# Altium PCB Spektrop2_PCB_Combined_CMV4000_V1.PcbDoc (part 4 of 6)
Units mm, origin at the board's own origin, x right, y up, seen from the top; angles counter-clockwise.
Board outline 87 x 42 mm, 8 copper layers (TOP, L1-GND, L2, L3-1V8, L4-PWR, L5, L6-P2V5, BTM), stack 1.588 mm thick; 353 components, 311 nets, 2431 pads, 951 vias.
Unrouted connection lines stored in the file: 2.
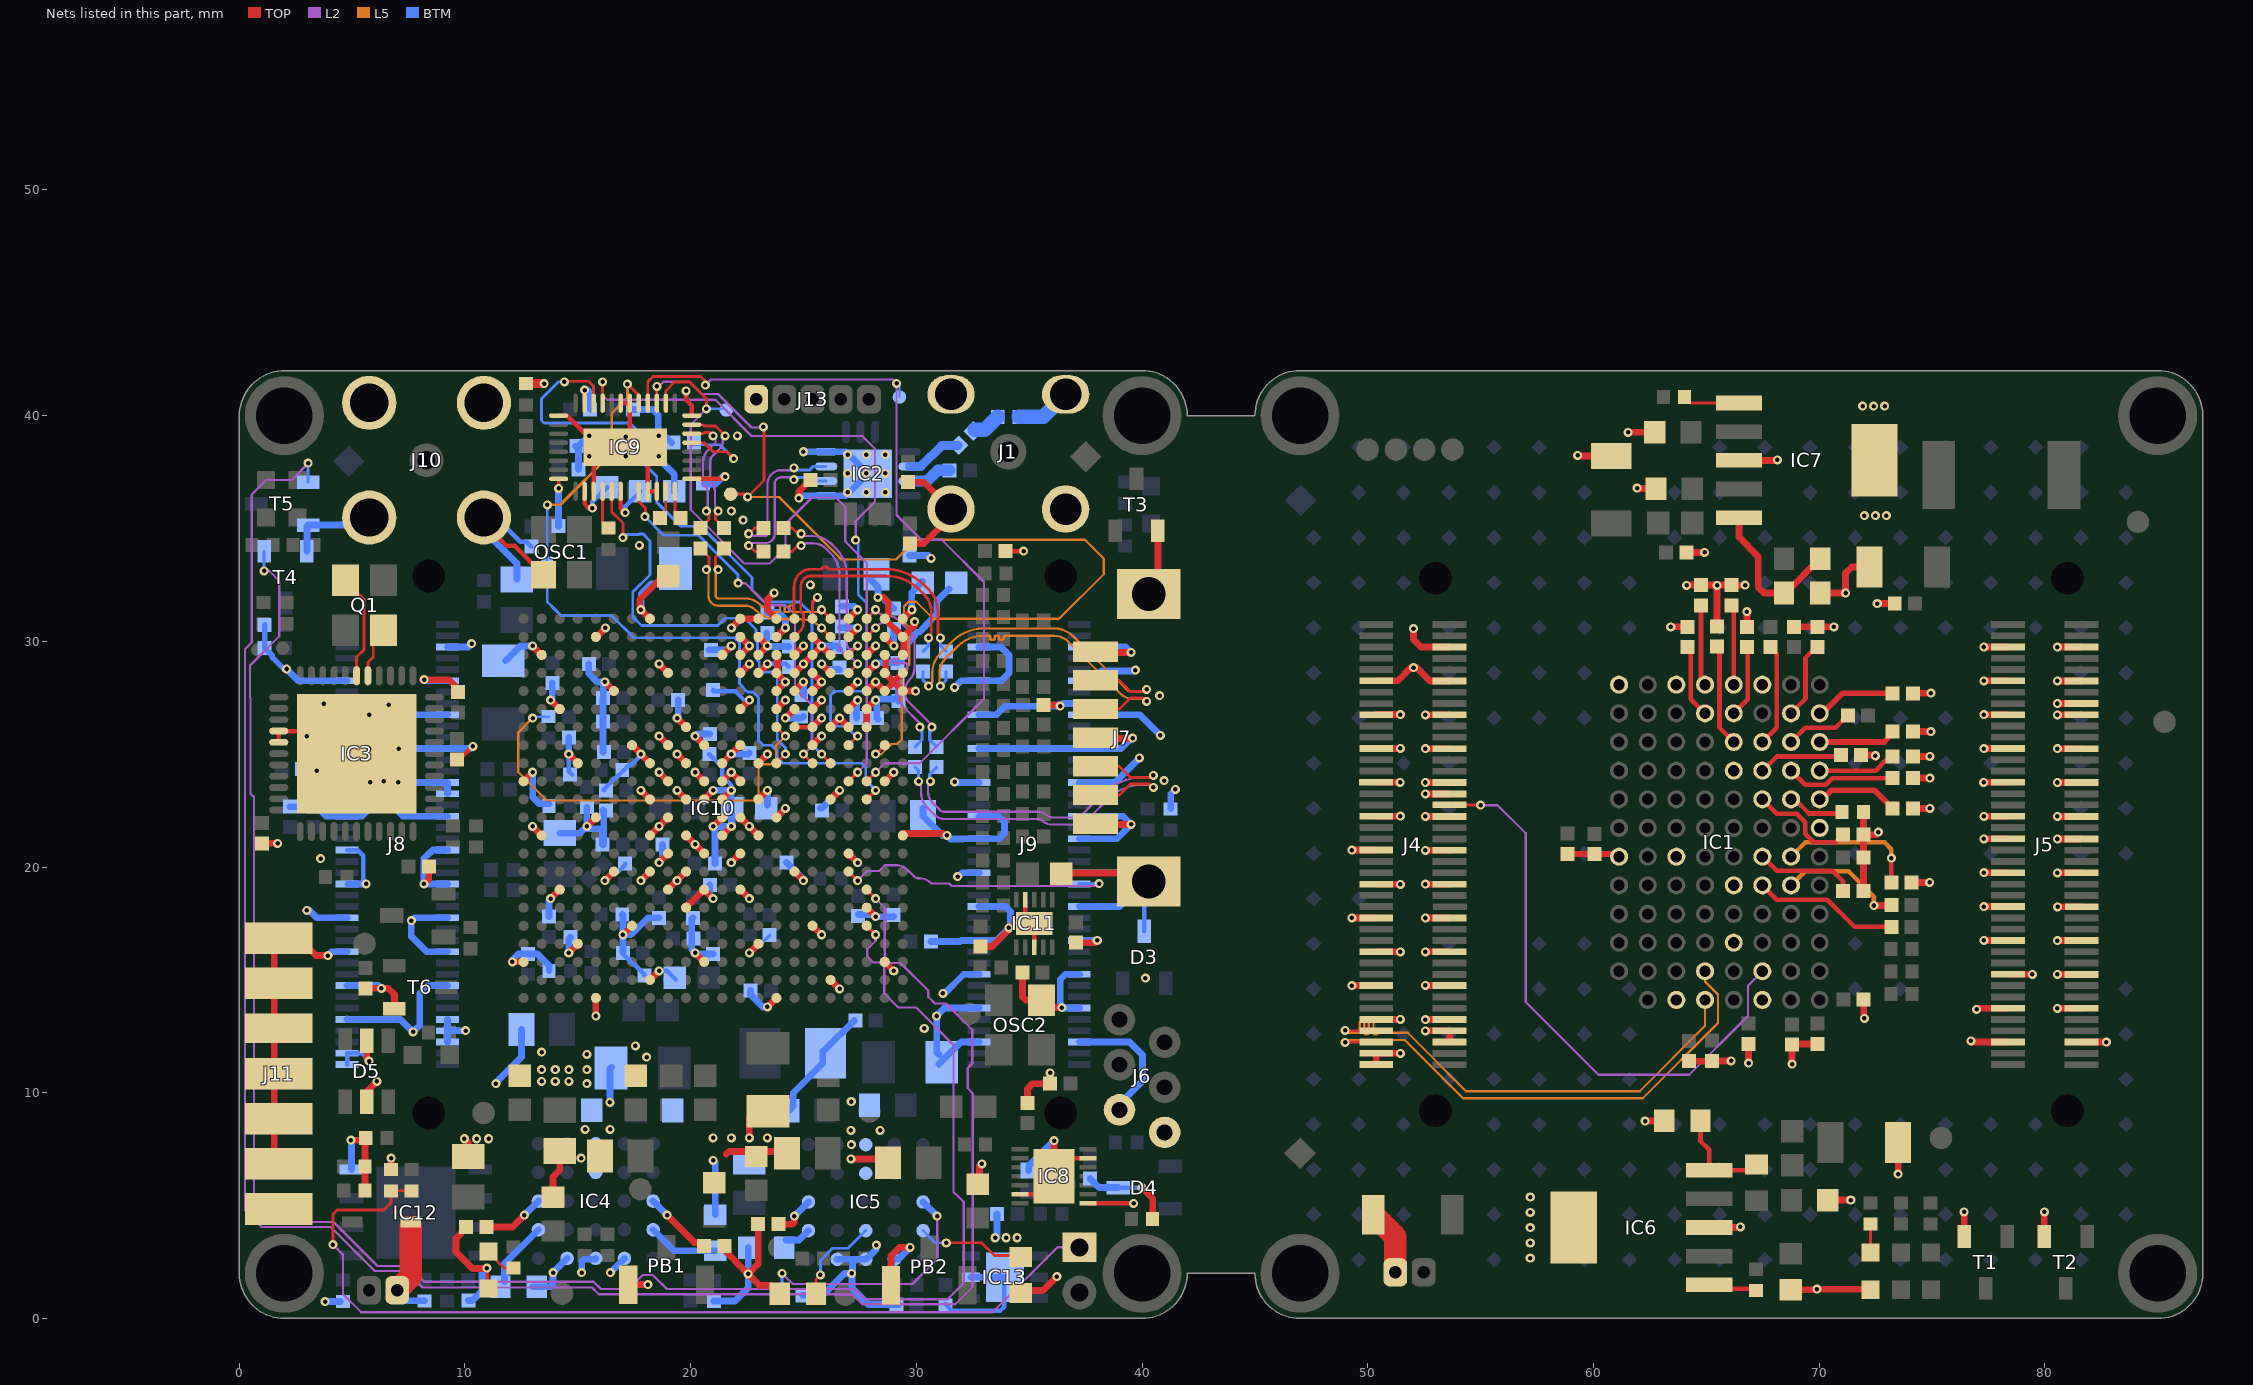
[diagram p10: the nets of this part, all layers, seen from the top]

## Via types
v1: diameter 0.4, hole 0.2, TOP to BTM, tented both sides, 949 vias
v2: diameter 0.4/0.4/0.4/0.4/0.6 (per signal layer), hole 0.2, TOP to BTM, tented top, 2 vias

## Nets (pads, with @x,y where several pads share a name; then routed paths per layer and width w, separated by ;. In a path a pad name is that pad's centre, name@x,y a point inside that pad or via, vN(x,y) a via of type N, cw(c..) or ccw(c..) an arc to the next point about the centre after c; other vN are vias at no path point) (continued)
FPGA_BANK35_DIFF19_P: IC10.H4 J9.47 | length 12.8
  TOP w0.14: IC10.H4@26.999,19.8 v1(27.399,19.4)
  L2 w0.1: v1(27.399,19.4) 27.824,19.825 28.354,19.825 28.605,20.075 29.15,20.075 cw(c29.15,19.465) 29.581,19.896 29.891,19.587 ccw(c30.1,19.796) 30.1,19.5 30.147,19.5 cw(c30.147,18.822) 30.626,19.301 ccw(c30.69,19.365) 30.69,19.275 31.45,19.275 31.565,19.16 37.998,19.16 v1(38.1,19.263)
  BTM w0.125: v1@38.088,19.25 v1(38.1,19.263)
  BTM w0.18: J9.47@37.225,19.25 v1@38.088,19.25
FRAME_REQ: IC1.F2 J4.33 | length 25.9
  TOP w0.125: J4.33@53.626,22.755 54.987,22.755 v1(54.999,22.743)
  L2 w0.1: v1(54.999,22.743) 55.753,22.743 57,21.496 57,14.021 60.225,10.796 64.25,10.796 66.85,13.396 66.85,14.746 IC1.F2@67.485,15.381
GND: C1.1 C2.1 C3.1 C5.1 C6.1 C7.1 C8.1 C9.1 C10.1 C11.1 C12.1 C14.1 C16.1 C18.1 C19.1 C20.2 C21.2 C22.2 C23.2 C24.1 C25.1 C26.2 C27.2 C28.1 C29.1 C30.1 C31.1 C32.1 C33.1 C34.1 C37.2 C38.2 C39.2 C40.2 C41.1 C42.1 C43.1 C44.1 C45.1 C46.1 C47.1 C48.1 C49.1 C50.1 C51.1 C52.1 C53.1 C54.1 C55.1 C56.1 C57.1 C58.1 C59.1 C60.1 C61.1 C62.1 C63.1 C64.1 C65.1 C66.1 C67.1 C68.1 C69.2 C70.1 C71.2 C72.1 C73.1 C77.1 C78.1 C79.1 C80.1 C81.1 C82.1 C83.1 C84.1 C85.1 C86.1 C87.1 C88.1 C89.1 C90.1 C91.1 C92.2 C93.1 C106.2 C107.2 C108.2 C109.2 C110.2 C111.2 C112.2 C113.2 C114.2 C115.2 C116.2 C117.2 C118.2 C119.2 C120.2 C121.2 C122.2 C123.2 C124.2 C125.2 C126.2 C127.2 C128.2 C129.2 C130.2 C131.2 C132.2 C133.2 C134.2 C135.2 C136.2 C137.2 C138.2 C139.2 C140.2 C141.2 C142.2 C143.2 C144.2 C145.2 C146.2 C147.2 C148.2 C149.2 C152.2 C153.2 C154.2 C155.2 C156.2 C157.2 C158.2 C159.2 C160.2 C161.2 C162.2 C163.2 C164.2 C165.2 C166.2 C167.2 C168.1 C169.1 C170.1 C171.1 D1.2 D2.2 D3.3 D4.3 D5.2 D5.5 IC1.A6 IC1.A12 IC1.C1 IC1.C6 IC1.C12 IC1.E3 IC1.E5 IC1.E9 IC1.F1 IC1.F12 IC1.H7 IC2.1 IC2.4 IC2.17 IC3.15 IC3.16 IC3.45 IC4.B5 IC4.C1 IC4.C2 IC4.C5 IC4.D5 IC5.B5 IC5.C1 IC5.C2 IC5.C5 IC5.D5 IC6.3 IC6.6 IC7.3 IC7.6 IC8.6 IC8.8 IC8.13 IC8.15 IC9.1 IC9.8 IC9.14 IC9.15 IC9.19 IC9.21 IC9.28 IC9.31 IC9.37 IC9.38 IC9.41 IC10.A8 IC10.A18 IC10.AA1 IC10.AA6 IC10.AA9 IC10.AA10 IC10.AA18 IC10.AB2 IC10.AB4 IC10.AB8 IC10.AB9 IC10.AB10 IC10.AB15 IC10.B5 IC10.B15 IC10.C2 IC10.C12 IC10.C22 IC10.D9 IC10.D19 IC10.E6 IC10.E16 IC10.F3 IC10.F13 IC10.G10 IC10.G12 IC10.G14 IC10.G20 IC10.H7 IC10.H13 IC10.H15 IC10.H17 IC10.J4 IC10.J10 IC10.J12 IC10.J14 IC10.K1 IC10.K9 IC10.K13 IC10.K15 IC10.K21 IC10.L8 IC10.L10 IC10.L14 IC10.L18 IC10.M5 IC10.M9 IC10.M13 IC10.M15 IC10.N2 IC10.N10 IC10.N11 IC10.N12 IC10.N14 IC10.N22 IC10.P9 IC10.P11 IC10.P13 IC10.P15 IC10.P19 IC10.R6 IC10.R10 IC10.R12 IC10.R14 IC10.R16 IC10.T3 IC10.T4 IC10.T5 IC10.T6 IC10.T7 IC10.T13 IC10.U3 IC10.U10 IC10.U20 IC10.V1 IC10.V2 IC10.V3 IC10.V4 IC10.V6 IC10.V8 IC10.V17 IC10.W1 IC10.W2 IC10.W6 IC10.W7 IC10.W8 IC10.W10 IC10.W14 IC10.Y1 IC10.Y2 IC10.Y3 IC10.Y5 IC10.Y6 IC10.Y8 IC10.Y9 IC10.Y10 IC10.Y11 IC10.Y21 IC11.4 IC11.8 IC11.11 IC12.4 IC13.2 IC13.7 J1.2 J2.2 J3.2 J4.5 J4.11 J4.12 J4.17 J4.18 J4.23 J4.24 J4.29 J4.30 J4.31 J4.35 J4.36 J4.41 J4.42 J4.47 J4.48 J4.53 J4.54 J4.59 J4.60 J4.65 J4.66 J4.71 J4.72 J4.73 J4.75 J4.78 J4.80 J5.5 J5.6 J5.11 J5.12 J5.15 J5.17 J5.18 J5.23 J5.24 J5.29 J5.30 J5.35 J5.36 J5.39 J5.40 J5.45 J5.46 J5.51 J5.52 J5.57 J5.58 J5.63 J5.64 J5.69 J5.70 J5.75 J5.76 J6.5 J6.6 J7.1 J7.4 J7.7 J7.8 J8.5 J8.11 J8.12 J8.17 J8.18 J8.23 J8.24 J8.29 J8.30 J8.31 J8.35 J8.36 J8.41 J8.42 J8.47 J8.48 J8.53 J8.54 J8.59 J8.60 J8.65 J8.66 J8.71 J8.72 J8.73 J8.75 J8.78 J8.80 J9.5 J9.6 J9.11 J9.12 J9.15 J9.17 J9.18 J9.23 J9.24 J9.29 J9.30 J9.35 J9.36 J9.39 J9.40 J9.45 J9.46 J9.51 J9.52 J9.57 J9.58 J9.63 J9.64 J9.69 J9.70 J9.75 J9.76 J10.2 J11.3 J11.5 J11.7 J11.9 J11.11 J11.13 J13.5 L10.2 LD1.1 LD2.1 OSC1.2 OSC2.2 PB1.2 PB2.2 R4.1 R5.1 R13.1 R14.1 R16.1 R17.1 R20.1 R24.1 R27.1 R31.1 R34.2 R38.1 R71.1 R73.2 R76.2 R77.2 R78.2 R79.2 R80.2 R87.2 R88.2 R89.2 T1.2 T2.2 T3.2 T4.2 T5.2 T6.2 | length 550.3
  TOP w0.125: C38.2@29.725,34.325 C38.2@29.9,34.325
  TOP w0.15: v1(10.975,2.225) 10.991,2.209 LD1.1@10.991,1.322 ; v1(14.15,36.775) IC9.28@14.15,37.2 ; v1@37.965,16.7 v1(38.015,16.75)
  TOP w0.2: IC3.16@1.75,25.525 IC3.15@1.75,26.025 ; IC3.15@1.85,26.025 IC3.45@4.2,26.025 ; v1(5.75,11.4) v1@5.768,11.418 ; C42.1@9.65,24.775 9.759,24.775 v1@10.343,25.359 ; v1@10.337,25.359 v1@10.343,25.359 ; v1(10.351,25.351) v1@10.343,25.359 ; J10.2@10.84,35.485 11.325,35 11.325,34.75 11.85,34.225 12.2,34.225 OSC1.2@13.475,32.95 ; IC9.21@14.15,40 14.535,40 15.935,38.6 IC9.41@17.1,38.6 ; IC9.19@15.3,40.55 v1(15.3,41.135) ; IC9.31@15.7,36.65 IC9.41@15.7,38.171 ; IC9.15@16.9,40.55 IC9.14@17.3,40.55 17.3,38.8 IC9.41@17.1,38.6 ; IC9.38@18.5,36.65 IC9.37@18.1,36.65 18.1,38.325 17.825,38.6 IC9.41@17.1,38.6 ; v1(19.8,41.1) 19.8,40.7 20.05,40.45 IC9.8@20.05,40 ; IC9.1@20.05,37.2 21.425,37.2 v1(21.525,37.3) ; IC10.T7@24.599,26.2 IC10.T6@25.399,26.2 ; C89.1@33.85,34 C89.1@33.95,34 v1(34.749,34) ; v1(34.1,17.3) 34.3,17.5 IC11.11@35.225,17.5 ; IC8.6@34.6,5.5 IC8.15@35.3,5.5 ; IC11.4@34.825,18.55 34.825,17.9 IC11.11@35.225,17.5 ; IC11.8@35.225,16.45 IC11.11@35.225,17.5 ; IC8.15@36.9,7.1 IC8.13@37.6,7.1 ; IC8.8@37.6,5.1 v1(39.625,5.1)
  TOP w0.25: IC8.15@35.3,5.5 IC8.15@36.1,6.3 ; C20.2@58.849,20.577 61.019,20.577 IC1.A6@61.135,20.461
  TOP w0.3: C45.1@1,21.05 v1(1.7,21.05) ; J11.3@1.55,6.85 J11.13@1.55,16.925 ; J11.13@1.75,16.85 2.625,16.85 3.4,16.075 v1(3.925,16.075) ; v1(4.95,7.9) 5.605,7.9 5.57,7.865 R79.2@5.57,6.725 R78.2@5.57,5.675 ; C165.2@5.6,14.625 v1(6.3,14.625) 6.6,14.625 6.875,14.35 T6.2@6.875,13.725 ; D5.2@5.65,9.6 5.65,10.05 v1(6.1,10.5) ; D5.5@5.65,12.3 5.65,11.5 v1(5.75,11.4) ; IC3.45@6.425,23.8 7,23.8 v1(7.05,23.75) ; R87.2@6.725,6.595 v1(6.725,7.1) ; IC3.45@7.05,25.275 v1(7.075,25.25) ; D1.2@7.6,4.275 7.875,4 ; v1(8.175,19.25) 8.4,19.475 C43.1@8.4,20.025 ; v1(8.188,28.3) 9.3,28.3 9.7,27.9 C41.1@9.7,27.75 ; v1(9.975,7.961) 10.15,7.786 C50.1@10.15,7.175 ; C56.1@10.05,4 9.6,3.55 9.6,2.95 10.341,2.209 v1@10.991,2.209 ; v1(12.1,15.8) IC10.C22@12.599,15.8 ; IC10.N22@12.599,23.8 v1(12.999,24.2) ; v1(12.999,21.8) IC10.K21@13.399,21.4 ; v1(12.999,29.8) IC10.Y21@13.399,29.4 ; v1(13.799,18.6) IC10.G20@14.199,19 ; v1(13.799,27.4) IC10.U20@14.199,27 ; C52.1@13.9,5.317 C52.1@13.9,5.375 13.9,6.278 14.2,6.578 C57.1@14.2,7.425 ; v1(14.599,16.2) IC10.D19@14.999,16.6 ; v1(14.599,25) IC10.P19@14.999,24.6 ; v1(15.399,21.8) IC10.L18@15.799,22.2 ; v1@15.799,13.501 IC10.A18@15.799,14.2 ; v1(15.8,13.4) v1@15.8,13.5 ; IC10.AA18@15.819,30.195 v1(16.219,30.595) ; v1(16.199,19.4) IC10.H17@16.599,19.8 ; v1(16.199,28.2) IC10.V17@16.599,27.8 ; v1(16.999,17) IC10.E16@17.399,17.4 ; PB1.2@17.235,1.5 v1(18.1,1.5) ; IC10.R16@17.399,25.4 IC10.P15@18.199,24.6 ; v1(17.799,19.4) IC10.H15@18.199,19.8 ; v1(17.799,23.4) IC10.M15@18.199,23 ; IC10.B15@18.199,15 v1(18.599,15.4) ; IC10.K15@18.199,21.4 v1(18.599,21.8) IC10.L14@18.999,22.2 ; IC10.AB15@18.199,31 17.745,31.454 17.745,31.845 18.65,32.75 C81.1@19,32.75 ; v1(18.599,20.2) IC10.J14@18.999,20.6 ; v1(18.599,24.2) IC10.N14@18.999,23.8 ; v1(18.599,25.8) IC10.R14@18.999,25.4 ; v1(18.599,29) IC10.W14@18.999,28.6 ; IC10.G14@18.999,19 v1(19.399,19.4) IC10.H13@19.799,19.8 ; v1(19.399,23.4) IC10.M13@19.799,23 ; v1(19.399,25) IC10.P13@19.799,24.6 ; v1(19.399,26.6) IC10.T13@19.799,26.2 ; IC10.F13@19.799,18.2 IC10.G12@20.599,19 v1(20.999,18.6) ; IC10.K13@19.799,21.4 IC10.J12@20.599,20.6 ; v1(20.199,16.2) IC10.C12@20.599,15.8 ; v1(20.199,24.2) IC10.N12@20.599,23.8 ; v1(20.199,25.8) IC10.R12@20.599,25.4 ; IC10.N11@21.399,23.8 v1(21.799,24.2) IC10.N10@22.199,23.8 ; IC10.P11@21.399,24.6 v1(21.799,25) IC10.R10@22.199,25.4 ; IC10.Y11@21.399,29.4 v1(21.799,29.8) ; C55.1@21.5,3.2 21.5,3.02 v1(22.55,1.97) ; 21.575,7.275 21.7,7.4 C66.1@24.2,7.4 ; v1(21.799,20.2) IC10.J10@22.199,20.6 ; v1(21.8,30.599) IC10.AB10@22.2,30.999 ; IC10.G10@22.199,19 v1(22.599,18.6) ; IC10.L10@22.199,22.2 v1(22.599,21.8) IC10.K9@22.999,21.4 ; IC10.U10@22.199,27 v1(22.599,27.4) ; IC10.W10@22.199,28.6 v1(22.599,29) ; IC10.Y10@22.199,29.4 v1(22.599,29.8) IC10.AA10@22.199,30.2 ; IC10.AB10@22.199,31 IC10.AB9@22.999,31 ; v1(22.6,8) C112.2@22.6,8.888 ; v1(22.599,16.2) IC10.D9@22.999,16.6 ; C65.1@22.99,4.173 22.99,2.41 v1(22.55,1.97) ; IC10.M9@22.999,23 v1(23.399,23.4) ; IC10.P9@22.999,24.6 v1(23.399,25) ; IC10.Y9@22.999,29.4 v1(23.399,29.8) IC10.AA9@22.999,30.2 ; v1(23.399,13.8) IC10.A8@23.799,14.2 ; v1(23.7,32.15) 23.4,31.85 23.4,31.399 IC10.AB8@23.799,31 ; IC10.L8@23.799,22.2 v1(24.199,22.6) ; IC10.V8@23.799,27.8 v1(24.199,28.2) IC10.W8@23.799,28.6 23.849,28.65 23.849,29.4 IC10.Y8@23.799,29.4 ; R20.1@23.95,1.1 23.587,1.462 23.058,1.462 v1(22.55,1.97) ; IC10.H7@24.599,19.8 v1(24.999,19.4) ; IC10.W7@24.599,28.6 v1(24.999,29) IC10.Y6@25.399,29.4 25.799,29.799 v1(25.8,29.799) ; v1(24.8,36.35) 24.8,36.65 C37.2@25.3,37.15 ; IC10.E6@25.399,17.4 v1(25.799,17) ; IC10.R6@25.399,25.4 v1(25.799,25.8) ; IC10.T6@25.399,26.2 v1(25.799,26.6) ; IC10.V6@25.399,27.8 v1(25.799,28.2) IC10.W6@25.399,28.6 ; IC10.AA6@25.399,30.2 v1(25.8,29.799) ; IC10.B5@26.199,15 v1(26.599,14.6) ; IC10.M5@26.199,23 v1(26.599,23.4) ; IC10.T5@26.199,26.2 v1(26.599,26.6) IC10.T4@26.999,26.2 ; IC10.Y5@26.2,29.399 v1(25.8,29.799) ; IC10.J4@26.999,20.6 v1(27.399,20.2) ; IC10.V4@26.999,27.8 v1(27.399,28.2) ; IC10.AB4@26.999,31 v1(27.399,31.4) ; v1(27.1,7.065) 28.585,7.065 C62.1@28.75,6.9 ; IC10.F3@27.799,18.2 v1(28.199,17.8) ; IC10.T3@27.799,26.2 IC10.U3@27.799,27 v1(28.199,27.4) ; IC10.V3@27.799,27.8 v1(28.199,28.2) IC10.V2@28.599,27.8 28.999,28.2 ; IC10.Y3@27.799,29.4 v1(28.199,29.8) ; v1(28.3,31.95) 28.55,31.95 28.75,31.75 28.75,31.15 IC10.AB2@28.599,31 IC10.AA1@29.399,30.2 ; IC10.C2@28.599,15.8 v1(28.999,15.4) ; IC10.N2@28.599,23.8 v1(28.999,24.2) ; IC10.Y2@28.599,29.4 28.649,29.4 28.649,28.65 IC10.W2@28.599,28.6 28.999,28.2 ; PB2.2@28.875,1.475 28.875,2.772 29.253,3.15 v1(29.725,3.15) ; IC10.K1@29.399,21.4 29.482,21.483 31.166,21.483 31.249,21.4 31.4,21.4 v1(31.35,21.4) ; IC10.W1@29.399,28.6 28.999,28.2 ; IC10.Y1@29.399,29.4 29.45,29.4 29.45,30.149 IC10.AA1@29.399,30.2 ; C39.2@29.625,37.05 30.345,37.05 J1.2@31.535,35.86 31.535,35.535 30.325,34.325 C38.2@29.9,34.325 ; v1(29.926,30.877) 29.925,30.875 29.925,30.725 IC10.AA1@29.399,30.2 ; v1(29.965,27.8) IC10.V1@29.399,27.8 28.999,28.2 ; C61.1@32.8,5.95 32.8,6.75 v1(32.9,6.85) ; C90.1@32.85,16.475 33.35,16.475 34.1,17.225 v1(34.1,17.3) ; R17.1@34.625,1.125 34.737,1.237 35.613,1.237 v1(36.225,1.85) ; C91.1@34.7,15.325 34.7,14.25 34.85,14.1 OSC2.2@35.55,14.1 35.875,13.775 v1(36.45,13.775) ; C72.1@34.925,9.55 34.925,10.175 35.15,10.4 C164.2@35.925,10.4 v1(35.925,10.875) ; C171.1@35.625,27.175 36.325,27.175 v1(36.375,27.125) ; IC8.15@36.1,6.3 v1(36.1,7.875) ; C93.1@36.525,19.7 36.525,19.738 39.922,19.738 J7.8@40.3,19.36 ; C92.2@37.2,16.65 37.915,16.65 v1@37.965,16.7 ; J7.7@38.1,21.89 v1(39.515,21.89) ; J7.4@38.1,25.7 v1@39.586,25.7 ; J7.1@38.1,29.51 v1(39.515,29.51) ; v1(40,5.8) 40.47,5.33 R31.1@40.47,4.4 ; J7.8@40.703,32.313 T3.2@40.703,34.897 ; v1(49.301,14.746) 49.475,14.746 J4.66@50.374,14.746 ; v1(49.301,17.746) 49.475,17.746 J4.54@50.374,17.746 ; v1(49.3,20.753) 49.474,20.753 J4.42@50.375,20.753 ; J4.30@50.362,23.752 51.263,23.752 v1(51.437,23.752) ; J4.80@50.374,11.246 J4.78@50.374,11.746 51.275,11.746 v1(51.449,11.746) ; J4.72@50.374,13.246 v1(51.449,13.246) ; J4.60@50.374,16.246 51.275,16.246 v1(51.449,16.246) ; J4.48@50.374,19.237 v1(51.449,19.237) ; J4.36@50.375,22.253 51.276,22.253 v1(51.45,22.253) ; J4.24@50.375,25.253 51.276,25.253 v1(51.45,25.253) ; J4.18@50.375,26.754 51.276,26.754 v1(51.45,26.754) ; J4.12@50.374,28.25 51.329,28.25 51.916,28.837 v1(52.027,28.837) 52.167,28.837 52.759,28.246 J4.11@53.626,28.246 ; v1(52.027,30.565) 52.027,30.082 52.363,29.746 J4.5@53.626,29.746 ; v1(52.551,12.742) 52.725,12.742 J4.73@53.626,12.742 J4.75@53.626,12.242 ; v1(52.551,13.242) 52.725,13.242 J4.71@53.626,13.242 ; v1(52.551,14.754) v1@52.725,14.754 ; v1(52.551,16.242) 52.725,16.242 J4.59@53.626,16.242 ; v1(52.551,17.742) v1@52.725,17.742 ; v1(52.551,19.242) J4.47@53.626,19.242 ; v1(52.551,20.743) v1@52.725,20.743 ; v1(52.551,22.242) 52.725,22.242 J4.35@53.626,22.242 ; v1(52.551,23.242) 52.725,23.242 J4.31@53.626,23.242 ; v1(52.551,23.746) 52.725,23.746 J4.29@53.626,23.746 ; v1(52.551,25.246) 52.725,25.246 J4.23@53.626,25.246 ; v1(52.551,26.746) 52.725,26.746 J4.17@53.626,26.746 ; v1@52.725,14.754 J4.65@53.626,14.754 ; v1@52.725,17.742 J4.53@53.626,17.742 ; v1@52.725,20.743 J4.41@53.626,20.743 ; v1(59.297,38.242) 59.322,38.217 C24.1@60.797,38.217 ; v1(61.532,39.263) 61.536,39.267 C70.1@62.722,39.267 ; v1@63.426,30.647 C1.1@64.158,30.647 ; C21.2@64.122,33.942 v1(64.922,33.942) ; C25.1@64.225,11.396 65.238,11.396 C22.2@65.25,11.408 v1(66.103,11.408) ; v1(66.875,11.309) C27.2@66.875,12.162 ; v1(68.8,11.271) 68.8,12.124 C34.1@68.806,12.13 68.838,12.163 C32.1@69.923,12.163 ; C33.1@68.882,30.646 C16.1@69.923,30.646 v1(70.65,30.646) ; v1(69.9,1.296) 72.25,1.296 LD2.1@72.275,1.271 ; R27.1@70.047,32.142 v1(71.172,32.142) 71.172,33.024 71.444,33.296 C28.1@72.225,33.296 ; C69.2@70.375,5.246 v1(71.4,5.246) ; C26.2@71.974,14.136 71.974,13.322 v1(72,13.296) ; v1(73.5,6.396) C31.1@73.5,7.796 ; T1.2@76.425,3.63 v1(76.425,4.721) ; v1(76.725,12.296) 76.725,12.246 J5.76@78.374,12.246 ; v1(76.975,13.696) 77.025,13.746 J5.70@78.374,13.746 ; v1(77.287,23.752) 77.461,23.752 J5.30@78.362,23.752 ; v1(77.299,16.746) 77.473,16.746 J5.58@78.374,16.746 ; v1(77.299,18.246) 77.473,18.246 J5.52@78.374,18.246 ; v1(77.299,19.75) 77.473,19.75 J5.46@78.374,19.75 ; v1(77.299,21.249) 77.473,21.249 J5.40@78.374,21.249 ; v1(77.299,22.249) 77.473,22.249 J5.36@78.374,22.249 ; v1(77.299,25.25) 77.473,25.25 J5.24@78.374,25.25 ; v1(77.299,26.75) 77.473,26.75 J5.18@78.374,26.75 ; v1(77.299,28.25) 77.473,28.25 J5.12@78.374,28.25 ; v1(77.299,29.75) 77.473,29.75 J5.6@78.374,29.75 ; J5.64@78.374,15.246 79.275,15.246 v1(79.449,15.246) ; T2.2@79.975,3.63 v1(79.975,4.721) ; v1(80.551,13.742) 80.725,13.742 J5.69@81.626,13.742 ; v1(80.551,15.242) v1@80.725,15.242 ; v1(80.551,16.742) 80.725,16.742 J5.57@81.626,16.742 ; v1(80.551,19.743) 80.725,19.743 J5.45@81.626,19.743 ; v1(80.551,21.243) 80.725,21.243 J5.39@81.626,21.243 ; v1(80.551,22.242) 80.725,22.242 J5.35@81.626,22.242 ; v1(80.551,23.746) 80.725,23.746 J5.29@81.626,23.746 ; v1(80.551,25.246) 80.725,25.246 J5.23@81.626,25.246 ; v1(80.551,26.746) 80.725,26.746 J5.17@81.626,26.746 ; v1(80.551,27.246) 80.725,27.246 J5.15@81.626,27.246 ; v1(80.551,28.246) 80.725,28.246 J5.11@81.626,28.246 ; v1(80.551,29.746) 80.725,29.746 J5.5@81.626,29.746 ; v1(80.563,18.24) 80.737,18.24 J5.51@81.638,18.24 ; v1@80.725,15.242 J5.63@81.626,15.242 ; J5.75@81.626,12.242 82.721,12.242 v1(82.725,12.246)
  TOP w0.305: v1(61.935,36.792) 61.935,36.776 C71.2@63.008,36.776 ; v1(62.289,8.742) 62.299,8.752 R24.1@63.142,8.752 ; v1(64.132,32.475) 64.15,32.493 C6.1@66.113,32.493 ; IC6.3@65.126,4.027 66.483,4.027 v1(66.51,4.054) ; C3.1@65.478,30.665 v1(65.478,32.475) ; C6.1@66.113,32.486 66.725,32.486 v1(66.725,32.496) ; IC7.3@66.45,38.021 68.147,38.021 v1(68.147,38.042) ; C5.1@66.799,30.646 v1(66.8,31.321) ; C68.1@68.75,1.271 69.9,1.271 v1(69.9,1.296) ; C12.1@71.865,24.957 72.463,24.957 v1(72.489,24.931) ; C7.1@71.956,18.946 71.961,18.951 C8.1@71.961,21.433 ; C8.1@71.956,21.433 C8.1@71.961,21.433 ; R4.1@71.961,22.449 C8.1@71.961,21.433 ; v1(72.575,31.671) C29.1@73.35,31.671 ; v1(72.625,21.546) 72.512,21.433 C8.1@71.961,21.433 ; C14.1@74.15,19.321 v1(74.897,19.322) ; C10.1@74.158,22.595 v1(74.905,22.596) v1(74.905,22.596) ; C11.1@74.158,23.941 v1(74.905,23.942) v1(74.905,23.942) ; C9.1@74.158,24.906 v1(74.905,24.907) v1(74.905,24.907) ; C19.1@74.202,25.998 v1(74.949,26) v1(74.949,26) ; C18.1@74.202,27.7 v1(74.949,27.701) v1(74.949,27.701)
  TOP w0.4: R34.2@12.812,41.42 v1(13.51,41.42)
  TOP w1: J2.2@7,1.25 7.6,1.85 D1.2@7.6,4.05 ; D2.2@50.25,4.596 51.225,3.621 J3.2@51.225,2.046
  L2 w0.2: v1(10.351,25.351) v1@10.351,25.424
  BTM w0.1: v1(22.599,16.2) v1@22.715,16.2
  BTM w0.15: v1@22.715,16.2 C138.2@23.5,16.985
  BTM w0.2: C48.1@2.775,24.35 3.35,24.35 v1(3.425,24.275) ; J8.80@4.775,11.25 J8.78@4.775,11.75 5.45,11.75 5.75,11.45 v1(5.75,11.4) ; J8.42@4.775,20.75 J8.42@5.25,20.75 ; 5.3,20.7 5.5,20.5 5.5,19.375 v1(5.625,19.25) ; J10.2@10.84,35.485 J10.2@11,35.325 ; J10.2@11,35.875 12.457,34.418 12.718,34.418 C77.1@12.944,34.192 ; v1(14.599,25) 14.599,24.251 C154.2@14.75,24.1 ; C127.2@16.17,23.4 16.15,23.4 16.15,23.437 16.623,23.91 16.66,23.91 17.047,24.297 17.047,24.3 17.274,24.526 17.379,24.526 17.799,24.946 v1(17.799,25) ; v1(16.199,19.4) 16.6,19.8 16.8,19.8 17.1,20.1 C123.2@17.1,20.15 ; C141.2@16.999,16.2 16.95,16.2 17.44,15.71 17.486,15.71 17.95,15.246 C161.2@17.95,15.2 ; v1(18.599,15.4) 18.95,15.4 C163.2@19.35,15 ; v1(20.199,16.2) v1@20.249,16.15 ; C157.2@21,27.85 21,27.8 21.965,27.8 22.365,27.4 v1(22.599,27.4) ; v1(26.599,23.4) v1@26.65,23.45 ; C159.2@31,11.2 C159.2@31,11.265 ; C168.1@31.275,0.65 31.575,0.35 33.725,0.35 33.9,0.525 33.9,1.8 IC13.7@33.925,1.825 ; J9.17@37.225,26.75 J9.15@37.225,27.25 ; D4.3@38.95,5.8 v1(40,5.8) ; D3.3@40.1,17.15 J7.8@40.1,18.97
  BTM w0.25: C46.1@1.125,30.725 C47.1@1.125,29.7 1.465,29.36 1.465,29.286 1.976,28.775 v1(2.1,28.775)
  BTM w0.3: v1(2.1,28.775) 2.625,28.25 J8.12@4.775,28.25 ; C49.1@2.25,22.675 C44.1@3.3,22.675 3.409,22.675 3.834,22.25 J8.36@4.775,22.25 5.45,22.25 5.804,22.604 v1(5.804,23.75) J8.30@4.775,23.75 ; v1@2.95,18.075 v1(3,18.075) 3.114,18.075 3.439,17.75 J8.54@4.775,17.75 ; T4.2@3,34 T5.2@3,35.1 ; T5.2@3.05,35.15 5.425,35.15 J10.2@5.76,35.485 ; v1(3.8,0.75) 3.805,0.755 R76.2@4.475,0.755 ; v1(3.925,16.075) 4.1,16.25 J8.60@4.775,16.25 ; J8.66@4.775,14.75 6.175,14.75 v1(6.3,14.625) ; J8.18@4.775,26.75 v1(5.764,26.75) ; J8.72@4.8,13.275 J8.72@4.775,13.25 5.725,13.25 7.15,13.25 v1(7.7,12.7) 8,13 8,14.4 8.35,14.75 J8.65@9.225,14.75 ; J8.48@4.814,19.25 v1(5.625,19.25) ; J8.24@4.814,25.25 v1(5.764,25.25) ; v1(4.95,7.9) 4.975,7.875 IC12.4@4.975,6.595 ; v1(6.4,23.8) 6.4,23.1 7.25,22.25 J8.35@9.225,22.25 ; v1(6.625,27.2) 7.075,26.75 J8.17@9.225,26.75 ; J2.2@7,1.25 7.47,0.78 R80.2@8.215,0.78 ; v1(7.05,23.75) J8.29@9.225,23.75 J8.31@9.225,23.25 ; v1(7.075,25.25) J8.23@9.225,25.25 10.249,25.25 v1(10.351,25.351) ; v1(8.188,28.3) 8.237,28.25 J8.11@9.225,28.25 J8.11@9.264,28.25 ; J8.75@9.225,12.25 J8.73@9.225,12.75 ; J8.71@9.225,13.25 J8.73@9.225,12.75 ; J8.59@9.225,16.25 8.3,16.25 7.625,16.925 v1(7.625,17.625) 7.75,17.75 J8.53@9.225,17.75 ; J8.47@9.225,19.25 v1(8.175,19.25) 8.175,20.375 8.45,20.65 8.472,20.65 8.572,20.75 J8.41@9.225,20.75 ; J8.5@9.225,29.75 10.15,29.75 v1(10.3,29.9) ; v1(10.025,12.75) J8.73@9.225,12.75 ; C167.2@10.15,0.8 10.325,0.8 10.75,1.225 10.75,2 v1@10.925,2.175 ; J10.2@11,35.875 11,35.325 11,34.75 12.3,33.45 C117.2@12.3,32.75 ; v1(11.375,10.4) 11.35,10.425 12.5,11.575 C114.2@12.5,12.8 ; C156.2@11.789,29.135 12.453,29.8 v1(12.999,29.8) ; v1(12.1,15.8) 12.1,15.89 12.36,16.15 C155.2@12.8,16.15 13.212,16.15 13.73,15.632 R88.2@13.73,15.4 ; R13.1@13,1.4 R13.1@13.175,1.4 13.775,1.4 13.904,1.529 v1(13.904,2.035) IC4.B5@14.529,2.66 ; v1(12.999,24.2) 12.999,23.101 13.3,22.8 R71.1@13.73,22.8 ; C153.2@13.724,17.8 13.724,18.525 v1(13.799,18.6) v1@13.824,18.575 ; v1(13.799,27.4) 13.869,27.47 C131.2@13.869,28.15 ; C82.1@14.15,35.1 v1(14.15,36.775) ; v1(14.599,16.2) 14.599,16.813 C160.2@14.679,16.892 ; v1(14.599,25) C133.2@14.599,25.75 ; C86.1@14.897,38.649 C86.1@15.034,38.649 ; C87.1@15.034,37.61 C86.1@15.034,38.649 ; v1(15.17,2.035) 15.17,2.495 15.3,2.625 15.76,2.625 IC4.C5@15.795,2.66 ; v1(15.3,41.135) 15.436,41.135 15.556,41.015 C83.1@15.556,40.281 ; v1@15.4,21.8 C130.2@15.4,22.65 ; C119.2@15.486,28.991 15.486,28.565 15.852,28.2 v1(16.199,28.2) 16.124,28.125 16.124,27.5 16.119,27.495 16.114,27.49 16.114,26.5 C158.2@16.114,26.45 C110.2@16.114,25.1 ; C122.2@16.109,22.51 C122.2@16.149,22.51 ; C125.2@16.131,20.967 C125.2@16.099,21 ; C122.2@16.15,22.4 16.15,21.05 C125.2@16.099,21 ; C84.1@16.3,38.325 15.535,39.09 15.535,39.15 C86.1@15.034,38.649 ; v1(16.425,9.575) 16.425,11.05 C143.2@16.475,11.1 C143.2@16.5,11.125 ; v1(16.44,2.035) IC4.D5@17.065,2.66 ; R89.2@16.97,17.9 16.999,17.871 v1(16.999,17) ; C141.2@16.999,16.25 v1(16.999,17) ; C80.1@17.439,40.277 18.323,40.277 18.564,40.036 v1@18.564,39.1 ; v1(17.799,31.4) 17.812,31.413 17.812,32.113 18.25,32.55 18.925,32.55 C140.2@19.2,32.825 ; v1@18.564,38.171 18.564,38.111 19.275,37.4 C85.1@19.275,36.65 ; v1(18.589,39.1) 18.85,39.1 C78.1@19.15,38.8 ; C121.2@18.599,17.75 18.1,17.75 17.35,17 v1(16.999,17) ; v1(18.599,20.2) 18.75,20.35 C126.2@18.75,21 ; C140.2@19.2,32.8 C140.2@19.2,32.825 ; C140.2@19.323,33.174 19.238,33.174 19.2,33.136 C140.2@19.2,32.825 ; v1(19.399,26.6) 19.45,26.65 C129.2@19.45,27.4 ; C113.2@20.1,17.75 20.049,17.699 20.049,16.35 v1(20.199,16.2) ; v1(20.199,25.8) 20.3,25.9 C144.2@20.85,25.9 ; v1@20.249,16.15 C142.2@20.999,16.15 ; C79.1@20.614,36.972 21.1,36.972 21.428,37.3 v1(21.525,37.3) ; C132.2@20.8,29.625 C132.2@20.9,29.625 21.625,29.625 v1(21.799,29.8) ; C124.2@20.85,19.2 20.85,18.749 v1(20.999,18.6) ; v1(21,7) 21.09,6.91 R14.1@21.09,4.6 ; C88.1@21.025,0.77 21.97,0.77 22.55,1.35 v1(22.55,1.97) R16.1@22.55,3.14 ; v1(21.799,25) 22.55,25 C145.2@22.6,25.05 ; C139.2@22.65,14.525 22.65,14.35 23.2,13.8 v1(23.399,13.8) ; C106.2@23.375,30.375 23.375,29.824 v1(23.399,29.8) 23.431,29.768 C135.2@24.349,29.768 ; L10.2@23.399,22.75 v1(23.399,23.4) v1@23.449,23.45 ; C111.2@24.25,20.2 24.999,19.451 v1(24.999,19.4) ; C67.1@24.347,9.2 24.548,9.402 24.548,9.998 25.85,11.3 25.85,11.8 C147.2@27.25,13.2 ; v1(24.8,36.35) 24.9,36.45 IC2.1@26,36.45 26.875,36.45 IC2.17@27.85,37.425 26.875,38.4 IC2.4@26,38.4 v1(24.998,38.4) ; C64.1@24.95,1.025 25.85,1.025 26.82,1.995 v1(27.135,1.995) ; C128.2@25.75,22.6 25.8,22.6 v1(26.599,23.4) ; v1(25.8,29.799) 26.451,29.799 C134.2@26.6,29.65 ; IC5.B5@26.49,2.62 27.33,2.62 ; C107.2@26.7,31.55 27.249,31.55 v1(27.399,31.4) ; v1(27.399,20.2) v1@27.449,20.15 ; C149.2@27.425,17.9 28.099,17.9 v1(28.199,17.8) 28.983,17.8 C115.2@28.993,17.809 ; C137.2@27.875,32.825 28.3,32.4 v1(28.3,31.95) ; v1(28.199,29.8) v1@28.234,29.834 ; v1(28.225,3.25) 28.225,3.085 IC5.C5@27.76,2.62 27.33,2.62 ; C136.2@28.3,26.549 C136.2@28.249,26.6 28.249,27.35 v1(28.199,27.4) 28.249,27.45 C116.2@29.199,27.45 ; 28.5,31.95 C108.2@29,31.45 ; IC5.D5@29.03,2.62 29.195,2.62 v1(29.725,3.15) ; C116.2@29.199,27.35 C116.2@29.199,27.45 ; C146.2@29.199,28.064 C116.2@29.199,27.45 ; C166.2@29.215,0.616 C166.2@29.115,0.616 27.884,0.616 27.15,1.35 27.15,1.98 v1(27.135,1.995) ; C40.2@29.7,33.8 30.525,33.8 v1(30.65,33.675) ; C152.2@30.3,22.6 C152.2@30.3,22.25 31.15,21.4 v1(31.35,21.4) 31.503,21.247 32.062,21.247 ; C148.2@30.649,16.7 31.935,16.7 31.985,16.75 J9.58@32.775,16.75 33.55,16.75 v1(34.1,17.3) ; C159.2@31,11.265 31.985,12.25 J9.76@32.775,12.25 ; C159.2@31,11.7 30.9,11.8 v1(30.9,13.4) 31.25,13.75 J9.70@32.775,13.75 ; v1(31.175,14.4) 31.25,14.4 32.1,15.25 J9.64@32.775,15.25 ; v1(31.7,23.775) 31.725,23.75 J9.30@32.775,23.75 ; v1(31.7,27.965) 31.985,28.25 J9.12@32.775,28.25 33.75,28.25 34.1,28.6 34.1,29.4 33.75,29.75 J9.6@32.775,29.75 ; v1(31.825,19.575) 31.85,19.55 32.05,19.75 J9.46@32.775,19.75 ; 32.065,21.25 J9.40@32.775,21.25 33.65,21.25 33.9,21.5 33.9,22 33.65,22.25 J9.36@32.775,22.25 ; IC13.2@32.425,1.825 IC13.7@33.925,1.825 ; J9.52@32.775,18.25 33.95,18.25 34.175,18.025 v1@34.175,17.375 ; J9.24@32.775,25.25 J9.23@37.225,25.25 39.068,25.25 39.527,25.708 v1(39.586,25.708) ; J9.18@32.775,26.75 33.55,26.75 33.925,27.125 v1(36.375,27.125) 36.5,27.25 J9.15@37.225,27.25 ; v1@33.575,3.575 C170.1@33.575,4.625 ; C169.1@34.975,6.56 34.975,6.75 v1(36.1,7.875) ; J9.75@37.225,12.25 39.45,12.25 40.025,11.675 40.025,10.525 39,9.5 J6.5@39,9.241 ; J9.69@37.225,13.75 36.475,13.75 v1(36.45,13.775) 36.375,13.85 36.375,15.025 36.6,15.25 J9.63@37.225,15.25 ; J9.57@37.225,16.75 v1(38.015,16.75) ; J9.51@37.225,18.25 38.5,18.25 39,18.25 J7.8@39.75,19 ; J9.45@37.225,19.75 J7.8@39.837,19.75 ; J9.39@37.225,21.25 38.878,21.25 39.517,21.888 v1(39.515,21.89) 39.155,22.25 J9.35@37.225,22.25 ; J9.29@37.225,23.75 38.797,23.75 v1(39.883,24.837) ; J9.17@37.225,26.75 39.894,26.75 v1(40.811,25.834) ; J9.11@37.225,28.25 37.764,28.25 38.198,28.684 39.659,28.684 v1(39.7,28.725) ; J9.5@37.225,29.75 39.275,29.75 v1(39.515,29.51) ; C73.1@37.7,6.2 38.1,5.8 D4.3@38.95,5.8 ; R73.2@41.271,22.581 41.271,23.234 v1(41.473,23.436) ; C120.2@14.899,21.5 15.099,21.5 v1(15.399,21.8) 15.499,21.7 16,21.7 16.099,21.601 C125.2@16.099,21 ; C120.2@14.899,21.5 C120.2@14.199,21.5 C120.2@14.899,21.5 ; v1(27.135,1.995) 27.175,2.035 27.175,2.465 27.33,2.62